# Altium PCB BitFury.PcbDoc (part 3 of 4) (continued)
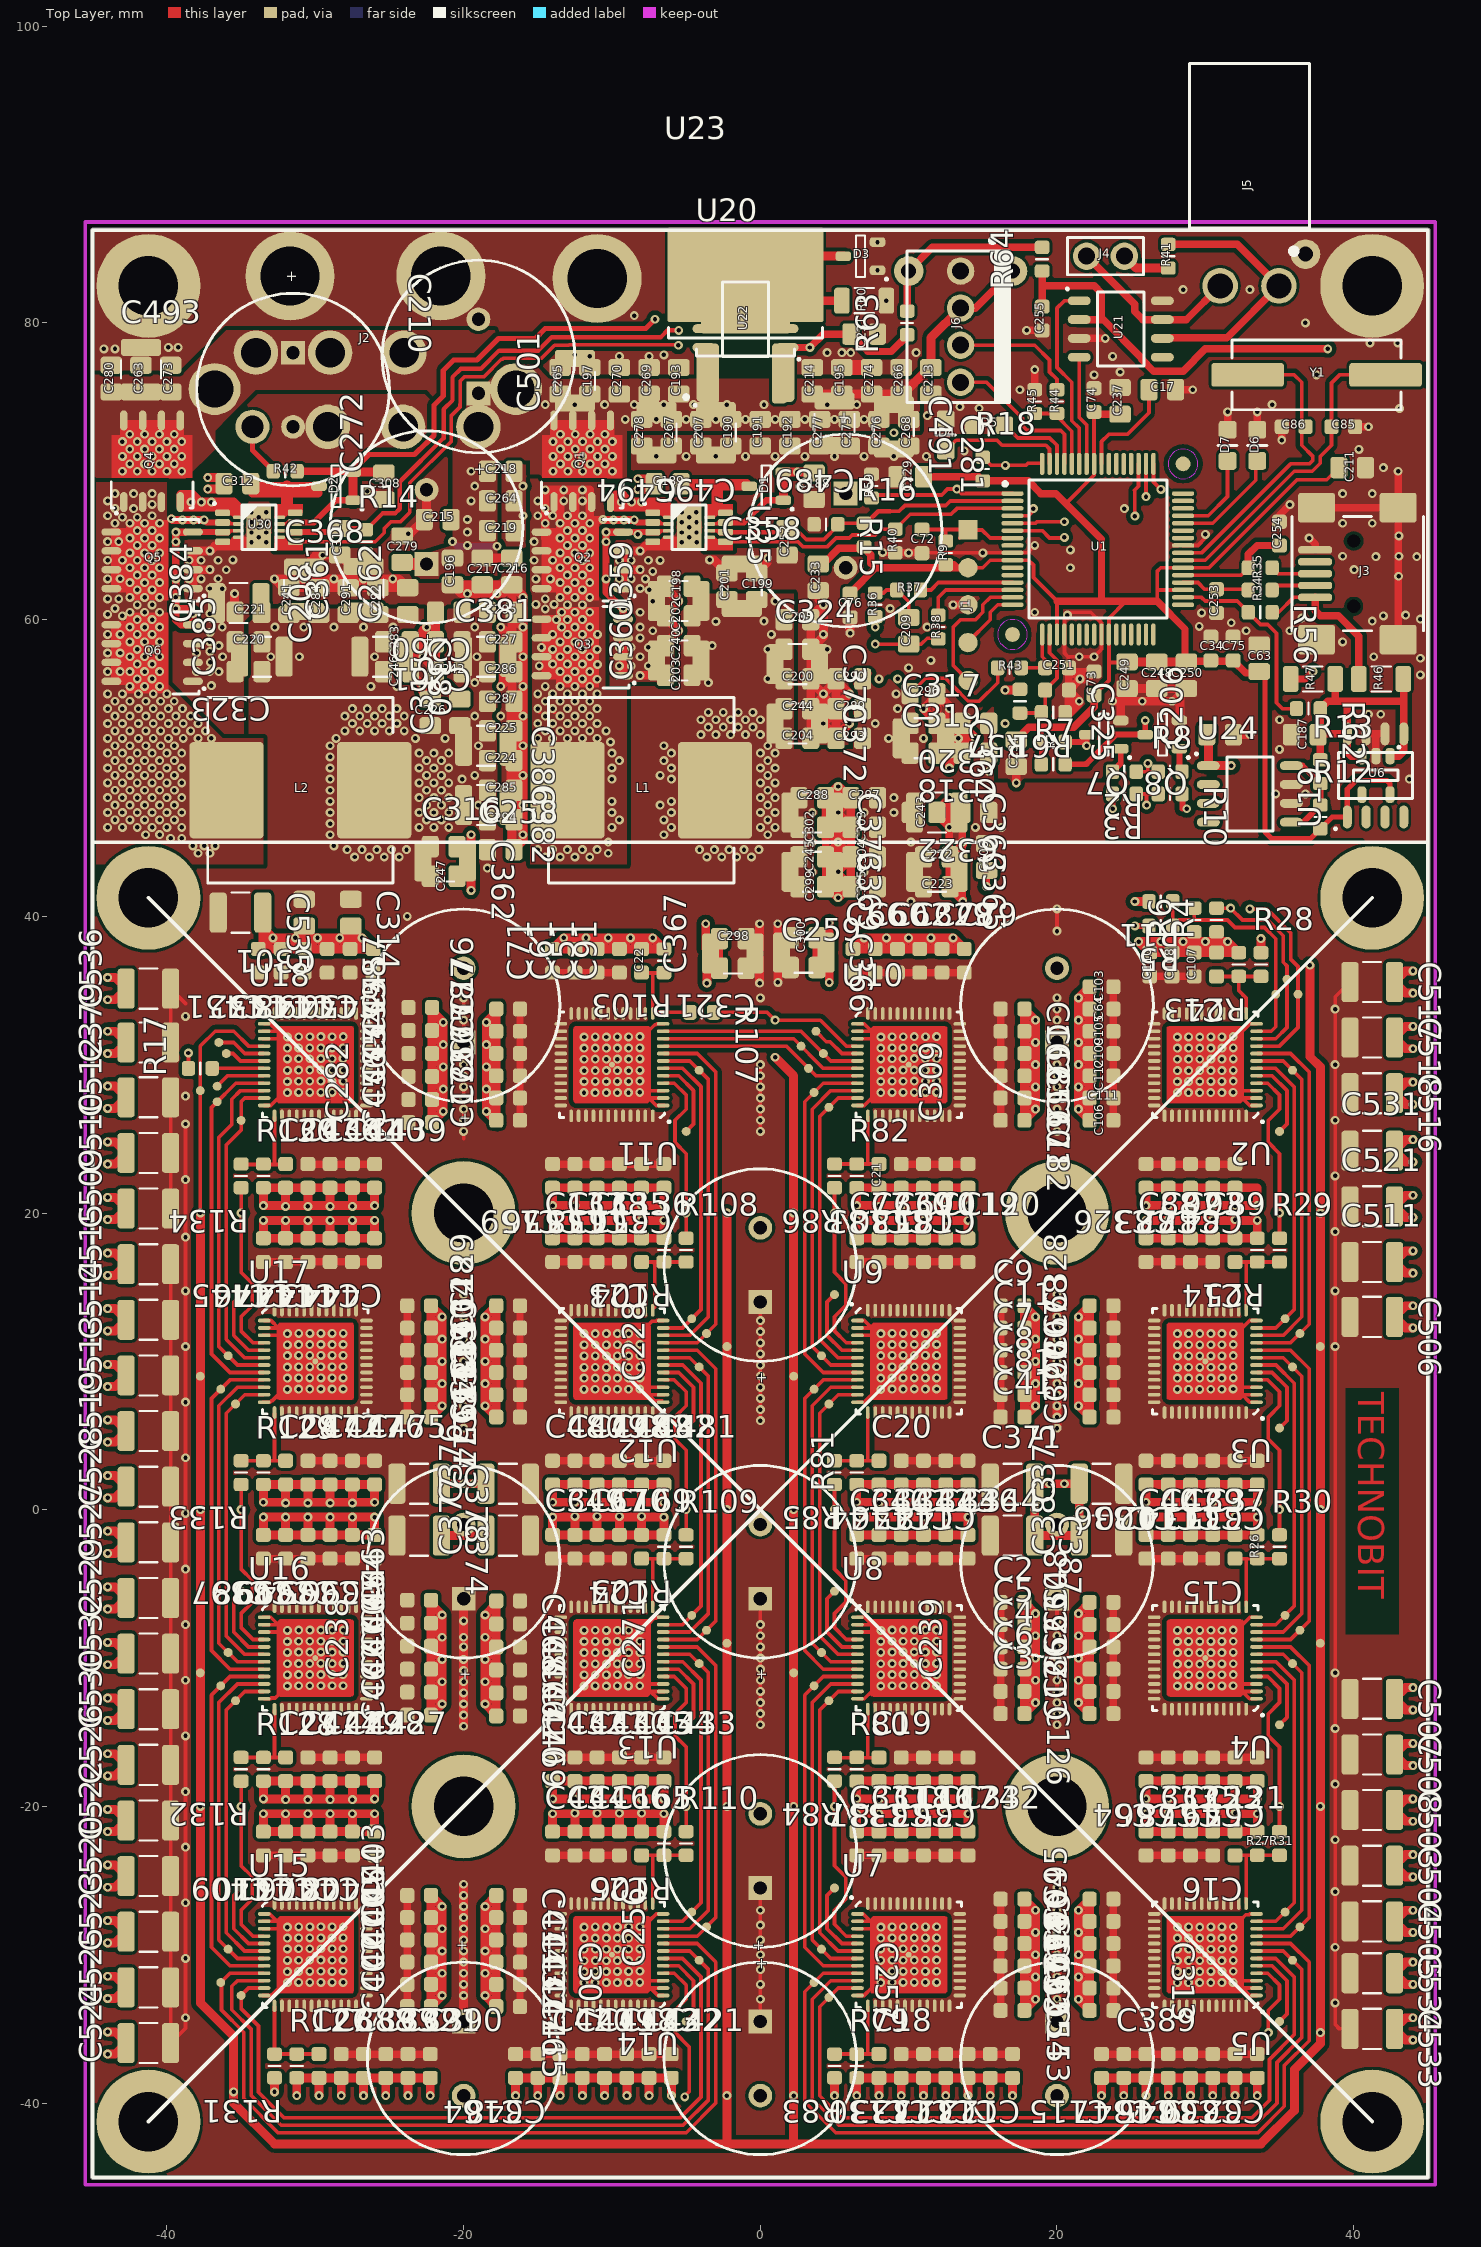
[diagram p0: Top Layer view]
## Nets (pads, with @x,y where several pads share a name; then routed paths per layer and width w, separated by ;. In a path a pad name is that pad's centre, name@x,y a point inside that pad or via, vN(x,y) a via of type N, cw(c..) or ccw(c..) an arc to the next point about the centre after c; other vN are vias at no path point) (continued)
  Top Layer w0.6: v1(-44,-36.7) -43.5,-36.7 C524.2@-42.75,-35.95 -43.5,-35.2 v1(-44,-35.2) ; v1(-44,-32.95) -43.5,-32.95 C525.2@-42.75,-32.2 -43.5,-31.45 v1(-44,-31.45) ; v1(-44,-29.2) -43.5,-29.2 C523.2@-42.75,-28.45 -43.5,-27.7 v1(-44,-27.7) ; v1(-44,-25.45) -43.5,-25.45 C520.2@-42.75,-24.7 -43.5,-23.95 v1(-44,-23.95) ; v1(-44,-21.7) -43.5,-21.7 C522.2@-42.75,-20.95 -43.5,-20.2 v1(-44,-20.2) ; v1(-44,-17.95) -43.5,-17.95 C526.2@-42.75,-17.2 -43.5,-16.45 v1(-44,-16.45) ; v1(-44,-14.2) -43.5,-14.2 C530.2@-42.75,-13.45 -43.5,-12.7 v1(-44,-12.7) ; v1(-44,-10.45) -43.5,-10.45 C532.2@-42.75,-9.7 -43.5,-8.95 v1(-44,-8.95) ; v1(-44,-6.7) -43.5,-6.7 C529.2@-42.75,-5.95 -43.5,-5.2 v1(-44,-5.2) ; v1(-44,-2.95) -43.5,-2.95 C527.2@-42.75,-2.2 -43.5,-1.45 v1(-44,-1.45) ; v1(-44,0.8) -43.5,0.8 C528.2@-42.75,1.55 -43.5,2.3 v1(-44,2.3) ; v1(-44,4.55) -43.5,4.55 C519.2@-42.75,5.3 -43.5,6.05 v1(-44,6.05) ; v1(-44,8.3) -43.5,8.3 C513.2@-42.75,9.05 -43.5,9.8 v1(-44,9.8) ; v1(-44,12.05) -43.5,12.05 C514.2@-42.75,12.8 -43.5,13.55 v1(-44,13.55) ; v1(-44,15.8) -43.5,15.8 C515.2@-42.75,16.55 -43.5,17.3 v1(-44,17.3) ; v1(-44,19.55) -43.5,19.55 C509.2@-42.75,20.3 -43.5,21.05 v1(-44,21.05) ; v1(-44,23.3) -43.5,23.3 C510.2@-42.75,24.05 -43.5,24.8 v1(-44,24.8) ; v1(-44,27.05) -43.5,27.05 C512.2@-42.75,27.8 -43.5,28.55 v1(-44,28.55) ; v1(-44,30.75) -43.5,30.75 C379.2@-42.75,31.5 -43.5,32.25 v1(-44,32.25) ; v1(-44,34.375) -43.5,34.375 C536.2@-42.75,35.125 -43.5,35.875 v1(-44,35.875) ; Q5.1@-38.25,62.095 Q5.2@-38.25,63.365 ; v1@-37.105,63.355 -37.115,63.365 Q5.2@-38.25,63.365 ; v1(-35.437,61.75) -35.437,60.537 C221.2@-35.4,60.5 ; -35.2,65.25 -35.487,64.963 -36.75,64.963 -37.078,64.635 Q5.3@-38.25,64.635 Q5.2@-38.25,63.365 ; C535.2@-33.543,40.25 C535.2@-33.543,39.243 ; v1(-31.25,-39.5) R127.1@-31.25,-38.3 C26.1@-29.75,-38.3 ; C368.2@-30.75,63.55 -29.95,64.35 v1(-29.5,64.35) C311.2@-28.35,64.35 v1(-26.75,62.75) ; v1(-29.75,-39.5) C26.1@-29.75,-38.3 ; v1(-28.25,-39.5) C388.1@-28.25,-38.3 ; v1(-26.75,-39.5) C393.1@-26.75,-38.3 ; v1(-25.25,-39.5) C392.1@-25.25,-38.3 ; v1(-23.75,-39.5) C391.1@-23.75,-38.3 ; v1(-23.721,65.78) -23.62,65.78 C215.2@-22.65,66.75 -22.5,66.9 C208.2@-22.5,68.75 ; v1(-22.5,59.5) -22.75,59.25 v1(-22.75,57.5) ; v1(-22.25,-39.5) C390.1@-22.25,-38.3 C391.1@-23.75,-38.3 ; C463.1@-22.2,-6.1 C463.1@-22.2,-6.35 ; C457.1@-22.121,33.85 C457.1@-22.121,33.6 ; C260.2@-21.9,60.5 C261.2@-21.9,58.5 C261.2@-21.9,58.35 ; C374.2@-21.5,-1.75 C377.2@-18.5,-1.75 ; C378.2@-21.5,1.75 C376.2@-18.5,1.75 ; C315.2@-20.25,54.65 -20.4,54.65 v1(-21.25,55.5) -21.4,55.5 C226.2@-22.25,54.65 -22.75,55.15 v1(-22.75,55.55) ; v1(-19.5,41.75) -19.5,43.45 C362.2@-19.75,43.7 -19.5,43.95 v1(-19.5,45.5) ; C469.1@-17.8,-13.9 C470.1@-17.8,-12.35 ; C469.1@-17.8,-13.85 v1(-18.55,-13.1) ; C468.1@-17.8,-6.35 v1(-18.55,-7.1) ; C468.1@-17.8,-6.15 C467.1@-17.8,-7.7 C466.1@-17.8,-9.25 C471.1@-17.8,-10.8 C470.1@-17.8,-12.35 ; C172.2@-17.8,26.25 C356.2@-17.8,27.521 ; C176.2@-17.8,33.75 C176.2@-17.8,33.521 ; C172.2@-17.721,26.1 v1(-18.471,26.85) ; C176.2@-17.721,33.6 C176.2@-17.8,33.521 ; v1(-17.5,55.5) -17.325,55.675 -17.325,59.325 v1(-17.5,59.5) ; C294.2@-16.6,46.5 -16,45.9 ; C227.2@-16.6,58.5 -16,59.1 ; v1(-16.5,-39.5) C164.2@-16.5,-38.3 C348.2@-15,-38.3 ; v1(-15,-39.5) C348.2@-15,-38.3 ; v1(-13.5,-39.5) C420.1@-13.5,-38.3 ; v1(-12,-39.5) C419.1@-12,-38.3 ; v1(-10.5,-39.5) C418.1@-10.5,-38.3 ; Q3.1@-9.25,56.225 Q3.2@-9.25,57.495 Q3.3@-9.25,58.765 ; Q2.1@-9.25,62.095 Q2.2@-9.25,63.365 ; v1(-9,-39.5) C423.1@-9,-38.3 ; v1@-8.105,63.355 -8.115,63.365 Q2.2@-9.25,63.365 ; v1(-8.1,56.225) -8.075,56.25 C203.2@-6.4,56.25 ; v1(-7.5,-39.5) C422.1@-7.5,-38.3 ; C240.2@-6.4,58.25 -6.4,58.35 v1(-5.5,59.25) -6.4,60.15 C202.2@-6.4,60.25 -6.4,60.35 v1(-5.5,61.25) -6.4,62.15 C198.2@-6.4,62.25 ; -6.2,65.25 -6.487,64.963 -7.75,64.963 -8.078,64.635 Q2.3@-9.25,64.635 Q2.2@-9.25,63.365 ; v1(-6,-39.5) C421.1@-6,-38.3 C422.1@-7.5,-38.3 ; v1(-3.675,39.5) -3.675,37.825 C367.2@-3.35,37.5 -3.6,37.25 v1(-3.6,35.5) ; v1(-3.412,64.025) -3.125,64.025 C201.2@-2.25,63.15 ; C199.2@-0.25,63.15 0.5,63.9 v1(0.5,64.15) ; C259.2@3.825,36.55 C300.2@3.825,38.55 ; C299.2@4.4,42 4.5,42 v1(5.25,41.25) ; C299.2@4.4,42.15 v1(5.25,43) ; v1(4.5,58) C324.2@3.4,58 ; v1(4.65,35.55) 4.65,37.325 C366.2@4.425,37.55 4.65,37.775 v1(4.65,39.55) ; v1(5.25,48.75) v1(5.25,47) v1(5.25,45) v1(5.25,43) ; v1(6.05,59.095) C76.2@6.05,60.15 ; C304.2@6.1,43.85 C305.2@6.1,42 ; C304.2@6.1,44.15 C303.2@6.1,45.85 ; C303.2@6.1,46.15 C297.2@6.1,47.85 ; v1(6.5,-39.5) R79.1@6.5,-38.3 C18.1@8,-38.3 ; v1(8,-39.5) C18.1@8,-38.3 ; C341.2@8,-1.7 v1(8,-0.5) ; v1@8,0.5 C20.1@8,1.7 ; v1(8,19.5) C330.2@8,18.3 ; v1@8,20.5 C21.1@8,21.7 ; v1(9.5,-39.5) C130.2@9.5,-38.3 ; C342.2@9.5,-1.7 v1(9.5,-0.5) ; v1@9.5,0.5 C144.2@9.5,1.7 ; C69.2@9.5,18.3 v1(9.5,19.5) ; v1@9.5,20.5 C183.2@9.5,21.7 ; v1(11,-39.5) C133.2@11,-38.3 ; v1@11,0.5 C146.2@11,1.7 ; v1@11,20.5 C180.2@11,21.7 ; C317.2@11.9,53 C317.2@11.9,53.1 ; v1(12.5,-39.5) C132.2@12.5,-38.3 ; v1@12.5,0.5 C145.2@12.5,1.7 ; v1@12.5,20.5 C353.2@12.5,21.7 ; v1(12.75,50) C364.2@12.75,51.75 ; C223.2@12.8,42 13.6,41.2 13.65,41.15 v1(13.65,41) ; C222.2@12.8,44 13.6,44.8 13.65,44.85 v1(13.65,45) ; v1(13,61) J1.3@14,61 ; C320.2@13.6,53 C320.2@13.6,52.9 ; v1(14,-39.5) C127.2@14,-38.3 ; v1(15.5,-39.5) C131.2@15.5,-38.3 ; v1(17,-39.5) C122.2@17,-38.3 C131.2@15.5,-38.3 ; v1(17.25,49) C234.2@17.25,50.1 ; C325.2@20.8,55.25 v1(21.55,56) ; C251.2@20.8,56.75 21.05,56.5 v1(21.55,56) ; C73.2@22.5,56.5 22,56 v1(21.55,56) ; v1(23,-39.5) C115.2@23,-38.3 C389.1@24.5,-38.3 ; v1(23.75,54.5) 24.238,54.5 ; Q7.2@24.3,53.2 24.3,54.438 24.238,54.5 ; v1(24.5,-39.5) C389.1@24.5,-38.3 ; v1(26,-39.5) C347.2@26,-38.3 ; v1(27.5,-39.5) C46.2@27.5,-38.3 ; C125.2@27.5,-21.7 v1@27.5,-20.5 ; v1@27.5,19.5 C92.2@27.5,18.3 ; v1(27.5,20.5) C83.2@27.5,21.7 ; Q8.2@28.3,53.2 C250.2@28.3,54.925 ; v1(29,-39.5) C345.2@29,-38.3 ; C123.2@29,-21.7 v1@29,-20.5 ; v1@29,19.5 C93.2@29,18.3 ; v1(29,20.5) C82.2@29,21.7 ; v1(30.5,-39.5) C30.2@30.5,-38.3 ; C121.2@30.5,-21.7 v1@30.5,-20.5 ; v1(30.5,20.5) C87.2@30.5,21.7 ; C13.1@30.75,37.95 30.75,38.3 ; R4.1@30.75,38.95 30.75,38.3 ; 30.8,38.35 30.75,38.3 ; C206.1@31.9,52.25 v1(33,52.25) ; v1(32,-39.5) C339.2@32,-38.3 ; C16.1@32,-21.7 v1@32,-20.5 ; v1(32,20.5) C84.2@32,21.7 ; v1(33.5,-39.5) C32.2@33.5,-38.3 C339.2@32,-38.3 ; v1(44,-35.75) 43.5,-35.75 C533.2@42.75,-35 43.5,-34.25 v1(44,-34.25) ; v1(44,-32) 43.5,-32 C534.2@42.75,-31.25 43.5,-30.5 v1(44,-30.5) ; v1(44,-28.5) 43.5,-28.5 C505.2@42.75,-27.75 43.5,-27 v1(44,-27) ; v1(44,-24.75) 43.5,-24.75 C504.2@42.75,-24 43.5,-23.25 v1(44,-23.25) ; v1(44,-21) 43.5,-21 C503.2@42.75,-20.25 43.5,-19.5 v1(44,-19.5) ; v1(44,-17.25) 43.5,-17.25 C508.2@42.75,-16.5 43.5,-15.75 v1(44,-15.75) ; v1(44,-13.5) 43.5,-13.5 C507.2@42.75,-12.75 43.5,-12 v1(44,-12) ; v1(44,12.25) 43.5,12.25 C506.2@42.75,13 43.5,13.75 v1(44,13.75) ; v1(44,15.95) 43.5,15.95 C511.2@42.75,16.7 43.5,17.45 v1(44,17.45) ; v1(44,19.7) 43.5,19.7 C521.2@42.75,20.45 43.5,21.2 v1(44,21.2) ; v1(44,23.45) 43.5,23.45 C531.2@42.75,24.2 43.5,24.95 v1(44,24.95) ; v1(44,27.325) 43.5,27.325 C516.2@42.75,28.075 43.5,28.825 v1(44,28.825) ; v1(44,31.075) 43.5,31.075 C518.2@42.75,31.825 43.5,32.575 v1(44,32.575) ; v1(44,34.825) 43.5,34.825 C517.2@42.75,35.575 43.5,36.325 v1(44,36.325) ; C451.1@-33.6,37.8 C452.1@-32.3,37.8 C452.1@-32.1,37.8 ; C451.1@-33.6,37.8 C451.1@-33.85,37.8 -33.543,38.107 C535.2@-33.543,39.243 ; C451.1@-33.6,37.8 v1(-32.85,38.55) ; C535.2@-33.543,39.243 v1(-32.85,38.55) ; v1(-32.85,38.55) C452.1@-32.1,37.8 ; v1(-32.85,38.55) v1(-31.35,38.55) ; C452.1@-32.1,37.8 C453.1@-30.75,37.8 C453.1@-30.6,37.8 ; C452.1@-32.1,37.8 v1(-31.35,38.55) ; C410.1@-32,-21.7 C411.1@-30.5,-21.7 ; C410.1@-32,-21.7 C409.1@-33.5,-21.7 v1(-33.5,-20.5) v1(-32,-20.5) ; C410.1@-32,-21.7 v1(-32,-20.5) ; v1(-32,-20.5) v1(-30.5,-20.5) ; v1@-32,-19.5 v1@-30.5,-19.5 ; v1@-32,-19.5 v1(-33.5,-19.5) R128.1@-33.5,-18.3 C27.1@-32,-18.3 ; v1@-32,-19.5 C27.1@-32,-18.3 ; C27.1@-32,-18.3 C424.1@-30.5,-18.3 ; C398.1@-32,-1.7 C397.1@-33.5,-1.7 v1(-33.5,-0.5) v1(-32,-0.5) ; C398.1@-32,-1.7 C399.1@-30.5,-1.7 ; C398.1@-32,-1.7 v1(-32,-0.5) ; v1(-32,-0.5) v1(-30.5,-0.5) ; v1@-32,0.5 v1(-33.5,0.5) R129.1@-33.5,1.7 C28.1@-32,1.7 ; v1@-32,0.5 v1@-30.5,0.5 ; v1@-32,0.5 C28.1@-32,1.7 ; C28.1@-32,1.7 C472.1@-30.5,1.7 ; C446.1@-32,18.3 C447.1@-30.5,18.3 ; C446.1@-32,18.3 C445.1@-33.5,18.3 v1(-33.5,19.5) v1(-32,19.5) ; C446.1@-32,18.3 v1(-32,19.5) ; v1(-32,19.5) v1(-30.5,19.5) ; v1@-32,20.5 v1@-30.5,20.5 ; v1@-32,20.5 v1(-33.5,20.5) R130.1@-33.5,21.7 C29.1@-32,21.7 ; v1@-32,20.5 C29.1@-32,21.7 ; C29.1@-32,21.7 C436.1@-30.5,21.7 ; v1(-31.35,38.55) C453.1@-30.6,37.8 ; v1(-31.35,38.55) v1(-29.85,38.55) ; C453.1@-30.6,37.8 C448.1@-29.2,37.8 C448.1@-29.1,37.8 ; C453.1@-30.6,37.8 v1(-29.85,38.55) ; C411.1@-30.5,-21.7 C406.1@-29,-21.7 ; C411.1@-30.5,-21.7 v1(-30.5,-20.5) ; v1(-30.5,-20.5) v1(-29,-20.5) ; v1@-30.5,-19.5 v1@-29,-19.5 ; v1@-30.5,-19.5 C424.1@-30.5,-18.3 ; C424.1@-30.5,-18.3 C429.1@-29,-18.3 ; C399.1@-30.5,-1.7 C394.1@-29,-1.7 ; C399.1@-30.5,-1.7 v1(-30.5,-0.5) ; v1(-30.5,-0.5) v1(-29,-0.5) ; v1@-30.5,0.5 v1@-29,0.5 ; v1@-30.5,0.5 C472.1@-30.5,1.7 ; C472.1@-30.5,1.7 C477.1@-29,1.7 ; C447.1@-30.5,18.3 C442.1@-29,18.3 ; C447.1@-30.5,18.3 v1(-30.5,19.5) ; v1(-30.5,19.5) v1(-29,19.5) ; v1@-30.5,20.5 v1@-29,20.5 ; v1@-30.5,20.5 C436.1@-30.5,21.7 ; C436.1@-30.5,21.7 C441.1@-29,21.7 ; v1(-29.85,38.55) C448.1@-29.1,37.8 ; v1(-29.85,38.55) v1(-28.35,38.55) ; C26.1@-29.75,-38.3 C388.1@-28.25,-38.3 ; C448.1@-29.1,37.8 C449.1@-27.65,37.8 C449.1@-27.6,37.8 ; C448.1@-29.1,37.8 v1(-28.35,38.55) ; C406.1@-29,-21.7 C407.1@-27.5,-21.7 ; C406.1@-29,-21.7 v1(-29,-20.5) ; v1(-29,-20.5) v1(-27.5,-20.5) ; v1@-29,-19.5 v1@-27.5,-19.5 ; v1@-29,-19.5 C429.1@-29,-18.3 ; C429.1@-29,-18.3 C428.1@-27.5,-18.3 ; C394.1@-29,-1.7 C395.1@-27.5,-1.7 ; C394.1@-29,-1.7 v1(-29,-0.5) ; v1(-29,-0.5) v1(-27.5,-0.5) ; v1@-29,0.5 v1@-27.5,0.5 ; v1@-29,0.5 C477.1@-29,1.7 ; C477.1@-29,1.7 C476.1@-27.5,1.7 ; C442.1@-29,18.3 C443.1@-27.5,18.3 ; C442.1@-29,18.3 v1(-29,19.5) ; v1(-29,19.5) v1(-27.5,19.5) ; v1@-29,20.5 v1@-27.5,20.5 ; v1@-29,20.5 C441.1@-29,21.7 ; C441.1@-29,21.7 C440.1@-27.5,21.7 ; v1(-28.35,38.55) C449.1@-27.6,37.8 ; v1(-28.35,38.55) v1(-26.85,38.55) ; C388.1@-28.25,-38.3 C393.1@-26.75,-38.3 ; C449.1@-27.6,37.8 C450.1@-26.1,37.8 v1(-26.85,38.55) ; C449.1@-27.6,37.8 v1(-26.85,38.55) ; C407.1@-27.5,-21.7 C408.1@-26,-21.7 v1(-26,-20.5) v1(-27.5,-20.5) ; C407.1@-27.5,-21.7 v1(-27.5,-20.5) ; v1@-27.5,-19.5 v1(-26,-19.5) C427.1@-26,-18.3 C428.1@-27.5,-18.3 ; v1@-27.5,-19.5 C428.1@-27.5,-18.3 ; C395.1@-27.5,-1.7 C396.1@-26,-1.7 v1(-26,-0.5) v1(-27.5,-0.5) ; C395.1@-27.5,-1.7 v1(-27.5,-0.5) ; v1@-27.5,0.5 v1(-26,0.5) C475.1@-26,1.7 C476.1@-27.5,1.7 ; v1@-27.5,0.5 C476.1@-27.5,1.7 ; C443.1@-27.5,18.3 C444.1@-26,18.3 v1(-26,19.5) v1(-27.5,19.5) ; C443.1@-27.5,18.3 v1(-27.5,19.5) ; v1@-27.5,20.5 v1(-26,20.5) C439.1@-26,21.7 C440.1@-27.5,21.7 ; v1@-27.5,20.5 C440.1@-27.5,21.7 ; C393.1@-26.75,-38.3 C392.1@-25.25,-38.3 ; v1(-26.75,62.75) v1(-30.775,62.75) v1(-32.75,62.75) -32.15,62.15 C241.2@-31.775,62.15 C284.2@-29.775,62.15 C292.2@-25.775,62.15 C262.2@-23.775,62.15 -24.375,62.75 v1(-24.775,62.75) v1(-26.75,62.75) ; C392.1@-25.25,-38.3 C391.1@-23.75,-38.3 ; v1(-22.75,55.55) -24,56.8 C380.2@-24,57.5 v1(-22.75,57.5) ; v1(-22.75,55.55) -21.9,56.4 C242.2@-21.9,56.5 C242.2@-21.9,56.65 ; v1(-22.75,57.5) C261.2@-21.9,58.35 ; v1(-22.75,57.5) C242.2@-21.9,56.65 ; C401.1@-22.2,-32 C400.1@-22.2,-30.5 ; C401.1@-22.2,-32 C402.1@-22.2,-33.5 v1(-21.45,-32.75) ; C401.1@-22.2,-32 v1(-21.45,-31.25) ; C401.1@-22.2,-32 v1(-21.45,-32.75) ; C400.1@-22.2,-30.5 C405.1@-22.2,-29 ; C400.1@-22.2,-30.5 v1(-21.45,-29.75) ; C400.1@-22.2,-30.5 v1(-21.45,-31.25) ; C405.1@-22.2,-29 C404.1@-22.2,-27.5 ; C405.1@-22.2,-29 v1(-21.45,-28.25) ; C405.1@-22.2,-29 v1(-21.45,-29.75) ; C404.1@-22.2,-27.5 C403.1@-22.2,-26 v1(-21.45,-26.75) ; C404.1@-22.2,-27.5 v1(-21.45,-26.75) ; C404.1@-22.2,-27.5 v1(-21.45,-28.25) ; C461.1@-22.2,-12.35 v1(-21.45,-11.6) ; C461.1@-22.2,-12.35 C461.1@-22.2,-12.3 C460.1@-22.2,-10.85 ; C461.1@-22.2,-12.35 C462.1@-22.2,-13.85 v1(-21.45,-13.1) ; C461.1@-22.2,-12.35 v1(-21.45,-13.1) ; C460.1@-22.2,-10.85 v1(-21.45,-10.1) ; C460.1@-22.2,-10.85 C460.1@-22.2,-10.75 C465.1@-22.2,-9.35 ; C460.1@-22.2,-10.85 v1(-21.45,-11.6) ; C465.1@-22.2,-9.35 v1(-21.45,-8.6) ; C465.1@-22.2,-9.35 C465.1@-22.2,-9.2 C464.1@-22.2,-7.85 ; C465.1@-22.2,-9.35 v1(-21.45,-10.1) ; C464.1@-22.2,-7.85 v1(-21.45,-7.1) ; C464.1@-22.2,-7.85 C464.1@-22.2,-7.65 C463.1@-22.2,-6.35 ; C464.1@-22.2,-7.85 v1(-21.45,-8.6) ; C463.1@-22.2,-6.35 v1(-21.45,-7.1) ; C174.2@-22.2,7.75 C355.2@-22.2,9.25 ; C174.2@-22.2,7.75 C173.2@-22.2,6.25 v1(-21.45,7) ; C174.2@-22.2,7.75 v1(-21.45,8.5) ; C174.2@-22.2,7.75 v1(-21.45,7) ; C355.2@-22.2,9.25 C179.2@-22.2,10.75 ; C355.2@-22.2,9.25 v1(-21.45,10) ; C355.2@-22.2,9.25 v1(-21.45,8.5) ; C179.2@-22.2,10.75 C184.2@-22.2,12.25 ; C179.2@-22.2,10.75 v1(-21.45,11.5) ; C179.2@-22.2,10.75 v1(-21.45,10) ; C184.2@-22.2,12.25 C185.2@-22.2,13.75 v1(-21.45,13) ; C184.2@-22.2,12.25 v1(-21.45,13) ; C184.2@-22.2,12.25 v1(-21.45,11.5) ; C455.1@-22.121,27.6 v1(-21.371,28.35) ; C455.1@-22.121,27.6 C455.1@-22.121,27.65 C454.1@-22.121,29.1 ; C455.1@-22.121,27.6 C456.1@-22.121,26.1 v1(-21.371,26.85) ; C455.1@-22.121,27.6 v1(-21.371,26.85) ; C454.1@-22.121,29.1 v1(-21.371,29.85) ; C454.1@-22.121,29.1 C454.1@-22.121,29.2 C459.1@-22.121,30.6 ; C454.1@-22.121,29.1 v1(-21.371,28.35) ; C459.1@-22.121,30.6 v1(-21.371,31.35) ; C459.1@-22.121,30.6 C459.1@-22.121,30.75 C458.1@-22.121,32.1 ; C459.1@-22.121,30.6 v1(-21.371,29.85) ; C458.1@-22.121,32.1 v1(-21.371,32.85) ; C458.1@-22.121,32.1 C458.1@-22.121,32.3 C457.1@-22.121,33.6 ; C458.1@-22.121,32.1 v1(-21.371,31.35) ; C457.1@-22.121,33.6 v1(-21.371,32.85) ; C242.2@-21.9,56.65 C261.2@-21.9,58.35 ; v1(-21.45,-32.75) v1(-21.45,-31.25) ; v1(-21.45,-31.25) v1(-21.45,-29.75) ; v1(-21.45,-29.75) v1(-21.45,-28.25) ; v1(-21.45,-28.25) v1(-21.45,-26.75) ; v1(-21.45,-13.1) v1(-21.45,-11.6) ; v1(-21.45,-11.6) v1(-21.45,-10.1) ; v1(-21.45,-10.1) v1(-21.45,-8.6) ; v1(-21.45,-8.6) v1(-21.45,-7.1) ; v1(-21.45,7) v1(-21.45,8.5) ; v1(-21.45,8.5) v1(-21.45,10) ; v1(-21.45,10) v1(-21.45,11.5) ; v1(-21.45,11.5) v1(-21.45,13) ; v1(-21.371,26.85) v1(-21.371,28.35) ; v1(-21.371,28.35) v1(-21.371,29.85) ; v1(-21.371,29.85) v1(-21.371,31.35) ; v1(-21.371,31.35) v1(-21.371,32.85) ; v1(-18.55,-32.75) C415.1@-17.8,-33.5 C416.1@-17.8,-32 ; v1(-18.55,-32.75) C416.1@-17.8,-32 ; v1(-18.55,-32.75) v1(-18.55,-31.25) ; v1(-18.55,-31.25) C416.1@-17.8,-32 ; v1(-18.55,-31.25) C417.1@-17.8,-30.5 ; v1(-18.55,-31.25) v1(-18.55,-29.75) ; v1(-18.55,-29.75) C417.1@-17.8,-30.5 ; v1(-18.55,-29.75) C412.1@-17.8,-29 ; v1(-18.55,-29.75) v1(-18.55,-28.25) ; v1(-18.55,-28.25) C412.1@-17.8,-29 ; v1(-18.55,-28.25) C413.1@-17.8,-27.5 ; v1(-18.55,-28.25) v1(-18.55,-26.75) ; v1(-18.55,-26.75) C414.1@-17.8,-26 C413.1@-17.8,-27.5 ; v1(-18.55,-26.75) C413.1@-17.8,-27.5 ; v1(-18.55,-13.1) C470.1@-17.8,-12.35 ; v1(-18.55,-13.1) v1(-18.55,-11.6) ; v1(-18.55,-11.6) C470.1@-17.8,-12.35 ; v1(-18.55,-11.6) -17.8,-10.85 v1(-18.55,-10.1) ; v1(-18.55,-11.6) v1(-18.55,-10.1) ; v1(-18.55,-10.1) -17.8,-9.35 v1(-18.55,-8.6) ; v1(-18.55,-10.1) v1(-18.55,-8.6) ; v1(-18.55,-8.6) -17.8,-7.85 v1(-18.55,-7.1) ; v1(-18.55,-8.6) v1(-18.55,-7.1) ; v1(-18.55,7) C142.2@-17.8,6.25 C139.2@-17.8,7.75 ; v1(-18.55,7) C139.2@-17.8,7.75 ; v1(-18.55,7) v1(-18.55,8.5) ; v1(-18.55,8.5) C139.2@-17.8,7.75 ; v1(-18.55,8.5) C140.2@-17.8,9.25 ; v1(-18.55,8.5) v1(-18.55,10) ; v1(-18.55,10) C140.2@-17.8,9.25 ; v1(-18.55,10) C134.2@-17.8,10.75 ; v1(-18.55,10) v1(-18.55,11.5) ; v1(-18.55,11.5) C134.2@-17.8,10.75 ; v1(-18.55,11.5) C128.2@-17.8,12.25 ; v1(-18.55,11.5) v1(-18.55,13) ; v1(-18.55,13) C129.2@-17.8,13.75 C128.2@-17.8,12.25 ; v1(-18.55,13) C128.2@-17.8,12.25 ; v1(-18.471,26.85) C356.2@-17.8,27.521 ; v1(-18.471,26.85) v1(-18.471,28.35) ; v1(-18.471,28.35) C356.2@-17.8,27.679 ; v1(-18.471,28.35) C175.2@-17.8,29.021 ; v1(-18.471,28.35) v1(-18.471,29.85) ; v1(-18.471,29.85) C178.2@-17.8,30.521 ; v1(-18.471,29.85) C175.2@-17.8,29.179 ; v1(-18.471,29.85) v1(-18.471,31.35) ; v1(-18.471,31.35) C177.2@-17.8,32.021 ; v1(-18.471,31.35) C178.2@-17.8,30.679 ; v1(-18.471,31.35) v1(-18.471,32.85) ; v1(-18.471,32.85) C176.2@-17.8,33.521 ; v1(-18.471,32.85) C177.2@-17.8,32.179 ; C416.1@-17.8,-32 C417.1@-17.8,-30.5 ; C417.1@-17.8,-30.5 C412.1@-17.8,-29 ; C412.1@-17.8,-29 C413.1@-17.8,-27.5 ; C139.2@-17.8,7.75 C140.2@-17.8,9.25 ; C140.2@-17.8,9.25 C134.2@-17.8,10.75 ; C134.2@-17.8,10.75 C128.2@-17.8,12.25 ; C356.2@-17.8,27.521 -17.721,27.6 C356.2@-17.8,27.679 ; C356.2@-17.8,27.521 C356.2@-17.8,27.679 ; C356.2@-17.8,27.679 C356.2@-17.8,27.75 C175.2@-17.8,29.021 ; C175.2@-17.8,29.021 -17.721,29.1 C175.2@-17.8,29.179 ; C175.2@-17.8,29.021 C175.2@-17.8,29.179 ; C175.2@-17.8,29.179 C175.2@-17.8,29.25 C178.2@-17.8,30.521 ; C178.2@-17.8,30.521 -17.721,30.6 C178.2@-17.8,30.679 ; C178.2@-17.8,30.521 C178.2@-17.8,30.679 ; C178.2@-17.8,30.679 C178.2@-17.8,30.75 C177.2@-17.8,32.021 ; C177.2@-17.8,32.021 -17.721,32.1 C177.2@-17.8,32.179 ; C177.2@-17.8,32.021 C177.2@-17.8,32.179 ; C177.2@-17.8,32.179 C177.2@-17.8,32.25 C176.2@-17.8,33.521 ; C216.2@-16.75,62.35 C217.2@-18.75,62.35 C196.2@-20.75,62.35 -20.15,61.75 v1(-19.75,61.75) v1(-17.75,61.75) -17.35,61.75 C216.2@-16.75,62.35 ; C216.2@-16.75,62.35 -16.75,44.65 C258.2@-16.6,44.5 -16,45.1 v1(-16,45.5) -16,45.9 ; C216.2@-16.75,62.35 -16,61.6 v1(-16,61.5) -16,61.1 ; -16,45.9 v1(-16,47.5) v1(-16,49.5) v1(-16,51.5) v1(-16,53.5) ; v1(-16,53.5) -16,55.1 ; v1(-16,53.5) -16.6,54.1 C287.2@-16.6,54.5 -16,55.1 ; -16,55.1 v1(-16,55.5) v1(-16,57.5) -16,59.1 ; -16,59.1 v1(-16,59.5) ; v1(-16,59.5) -16,61.1 ; v1(-16,59.5) -16.6,60.1 C295.2@-16.6,60.5 -16,61.1 ; C348.2@-15,-38.3 C420.1@-13.5,-38.3 ; C420.1@-13.5,-38.3 C419.1@-12,-38.3 ; v1(-13.25,38.55) C71.2@-14,37.8 C61.2@-12.5,37.8 ; v1(-13.25,38.55) C61.2@-12.5,37.8 ; v1(-13.25,38.55) v1(-11.75,38.55) ; C44.2@-12.5,-21.7 C166.2@-11,-21.7 ; C44.2@-12.5,-21.7 C43.2@-14,-21.7 v1(-14,-20.5) v1@-12.5,-20.5 ; C44.2@-12.5,-21.7 v1@-12.5,-20.5 ; v1@-12.5,-20.5 v1@-11,-20.5 ; v1(-12.5,-19.5) v1(-11,-19.5) ; v1(-12.5,-19.5) v1(-14,-19.5) C432.1@-14,-18.3 C431.1@-12.5,-18.3 ; v1(-12.5,-19.5) C431.1@-12.5,-18.3 ; C431.1@-12.5,-18.3 C430.1@-11,-18.3 ; C167.2@-12.5,-1.7 C349.2@-14,-1.7 v1(-14,-0.5) v1@-12.5,-0.5 ; C167.2@-12.5,-1.7 C170.2@-11,-1.7 ; C167.2@-12.5,-1.7 v1@-12.5,-0.5 ; v1@-12.5,-0.5 v1@-11,-0.5 ; v1(-12.5,0.5) v1(-14,0.5) C480.1@-14,1.7 C479.1@-12.5,1.7 ; v1(-12.5,0.5) v1(-11,0.5) ; v1(-12.5,0.5) C479.1@-12.5,1.7 ; C479.1@-12.5,1.7 C478.1@-11,1.7 ; C138.2@-12.5,18.3 C137.2@-14,18.3 v1(-14,19.5) v1@-12.5,19.5 ; C138.2@-12.5,18.3 C135.2@-11,18.3 ; C138.2@-12.5,18.3 v1@-12.5,19.5 ; v1@-12.5,19.5 v1@-11,19.5 ; v1(-12.5,20.5) v1(-14,20.5) C159.2@-14,21.7 C156.2@-12.5,21.7 ; v1(-12.5,20.5) v1(-11,20.5) ; v1(-12.5,20.5) C156.2@-12.5,21.7 ; C156.2@-12.5,21.7 C157.2@-11,21.7 ; C61.2@-12.5,37.8 C51.2@-11,37.8 ; C61.2@-12.5,37.8 v1(-11.75,38.55) ; C419.1@-12,-38.3 C418.1@-10.5,-38.3 ; v1(-11.75,38.55) C51.2@-11,37.8 ; v1(-11.75,38.55) v1(-10.25,38.55) ; C166.2@-11,-21.7 C165.2@-9.5,-21.7 ; C166.2@-11,-21.7 v1@-11,-20.5 ; v1@-11,-20.5 v1@-9.5,-20.5 ; v1(-11,-19.5) v1(-9.5,-19.5) ; v1(-11,-19.5) C430.1@-11,-18.3 ; C430.1@-11,-18.3 C435.1@-9.5,-18.3 ; C170.2@-11,-1.7 C169.2@-9.5,-1.7 ; C170.2@-11,-1.7 v1@-11,-0.5 ; v1@-11,-0.5 v1@-9.5,-0.5 ; v1(-11,0.5) v1(-9.5,0.5) ; v1(-11,0.5) C478.1@-11,1.7 ; C478.1@-11,1.7 C483.1@-9.5,1.7 ; C135.2@-11,18.3 C136.2@-9.5,18.3 ; C135.2@-11,18.3 v1@-11,19.5 ; v1@-11,19.5 v1@-9.5,19.5 ; v1(-11,20.5) v1(-9.5,20.5) ; v1(-11,20.5) C157.2@-11,21.7 ; C157.2@-11,21.7 C158.2@-9.5,21.7 ; C51.2@-11,37.8 C91.2@-9.5,37.8 ; C51.2@-11,37.8 v1(-10.25,38.55) ; C418.1@-10.5,-38.3 C423.1@-9,-38.3 ; v1(-10.25,38.55) C91.2@-9.5,37.8 ; v1(-10.25,38.55) v1(-8.75,38.55) ; C165.2@-9.5,-21.7 C25.1@-8,-21.7 ; C165.2@-9.5,-21.7 v1@-9.5,-20.5 ; v1@-9.5,-20.5 v1@-8,-20.5 ; v1(-9.5,-19.5) 